# Altium PCB PCB.PcbDoc
Units mm, origin at the board's own origin, x right, y up, seen from the top; angles counter-clockwise.
Board outline 71 x 49 mm, 2 copper layers (Top Layer, Bottom Layer); 39 components, 26 nets, 155 pads, 54 vias.
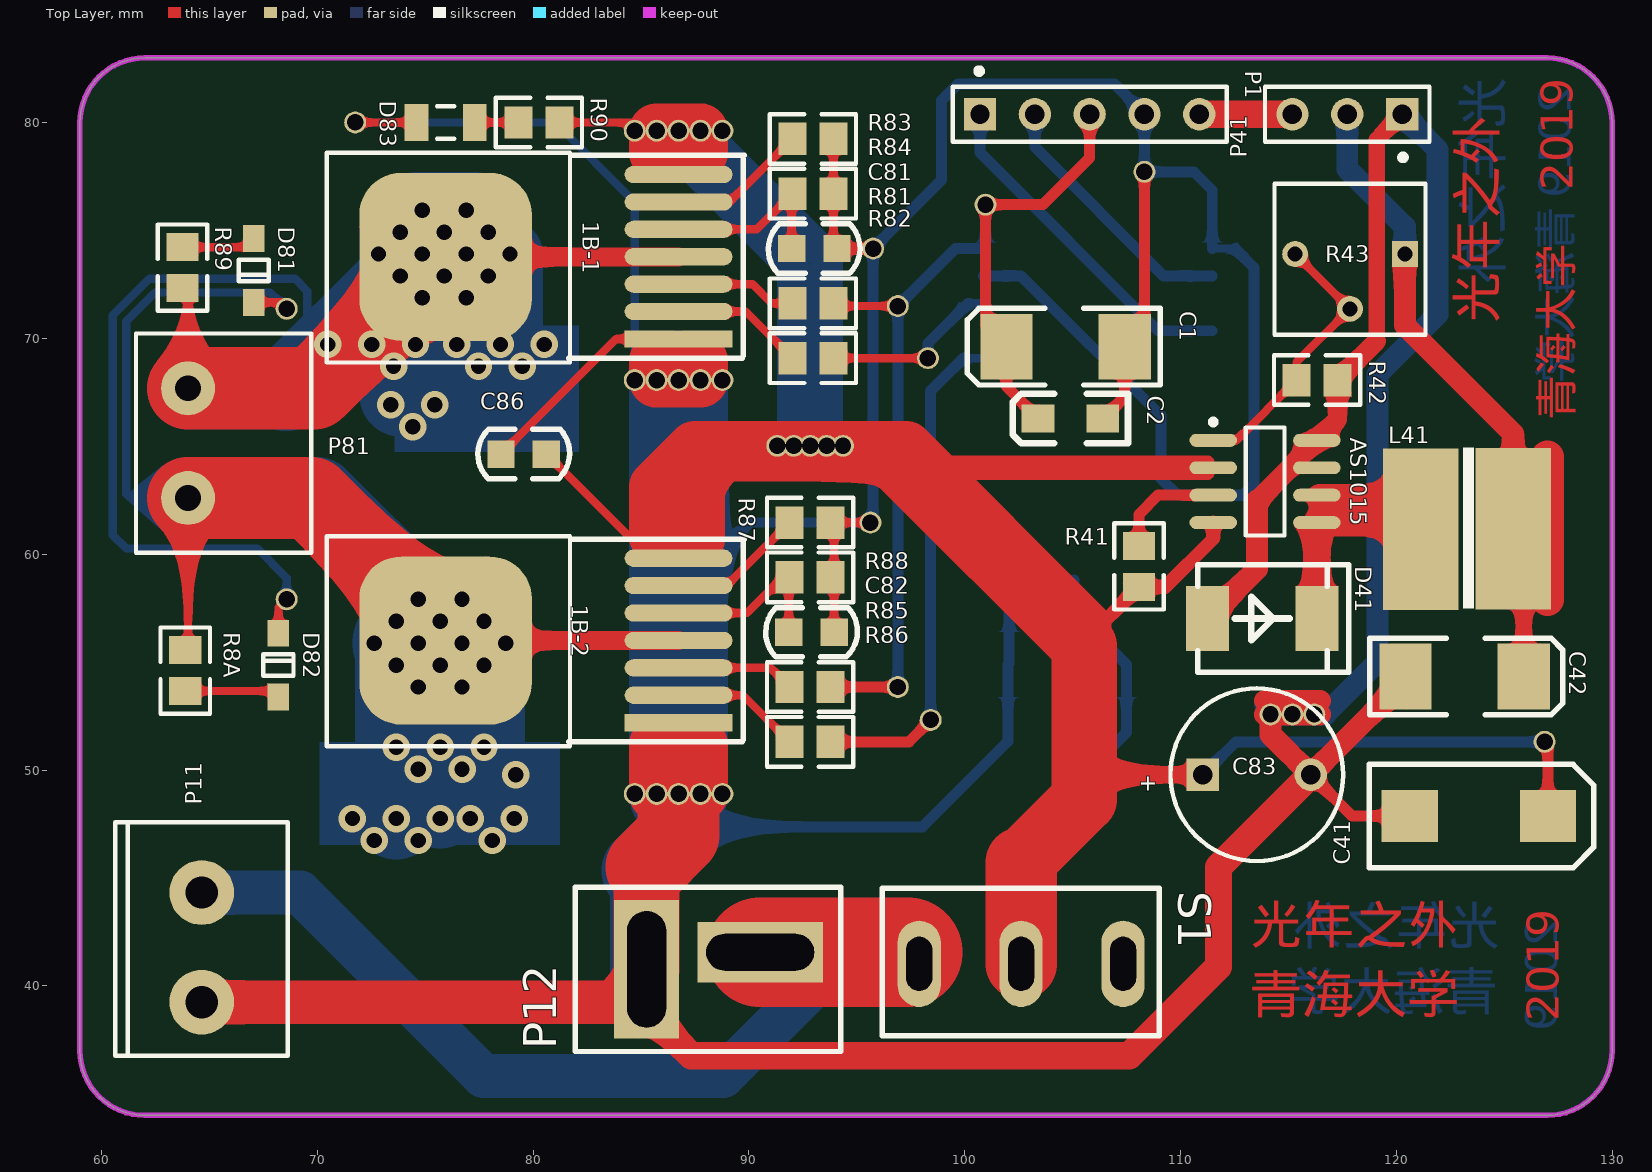
[diagram p0: Top Layer view]
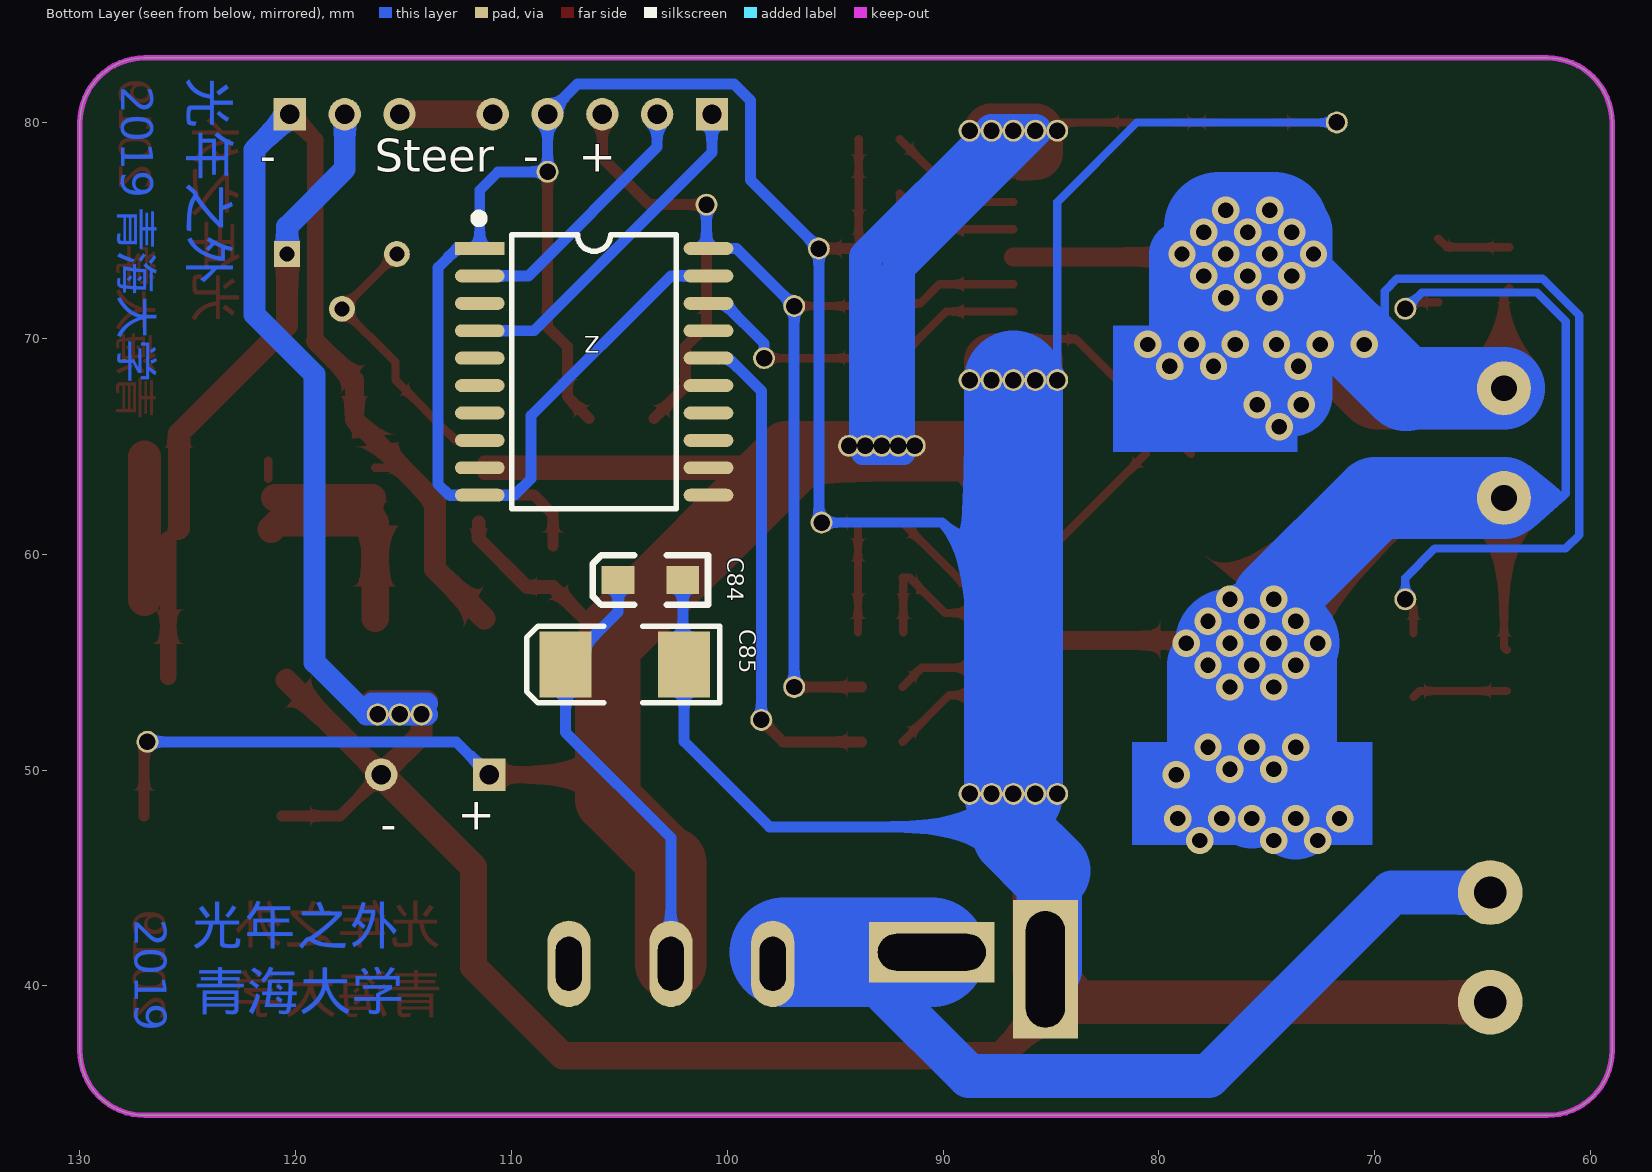
[diagram p1: Bottom Layer view, seen from below]
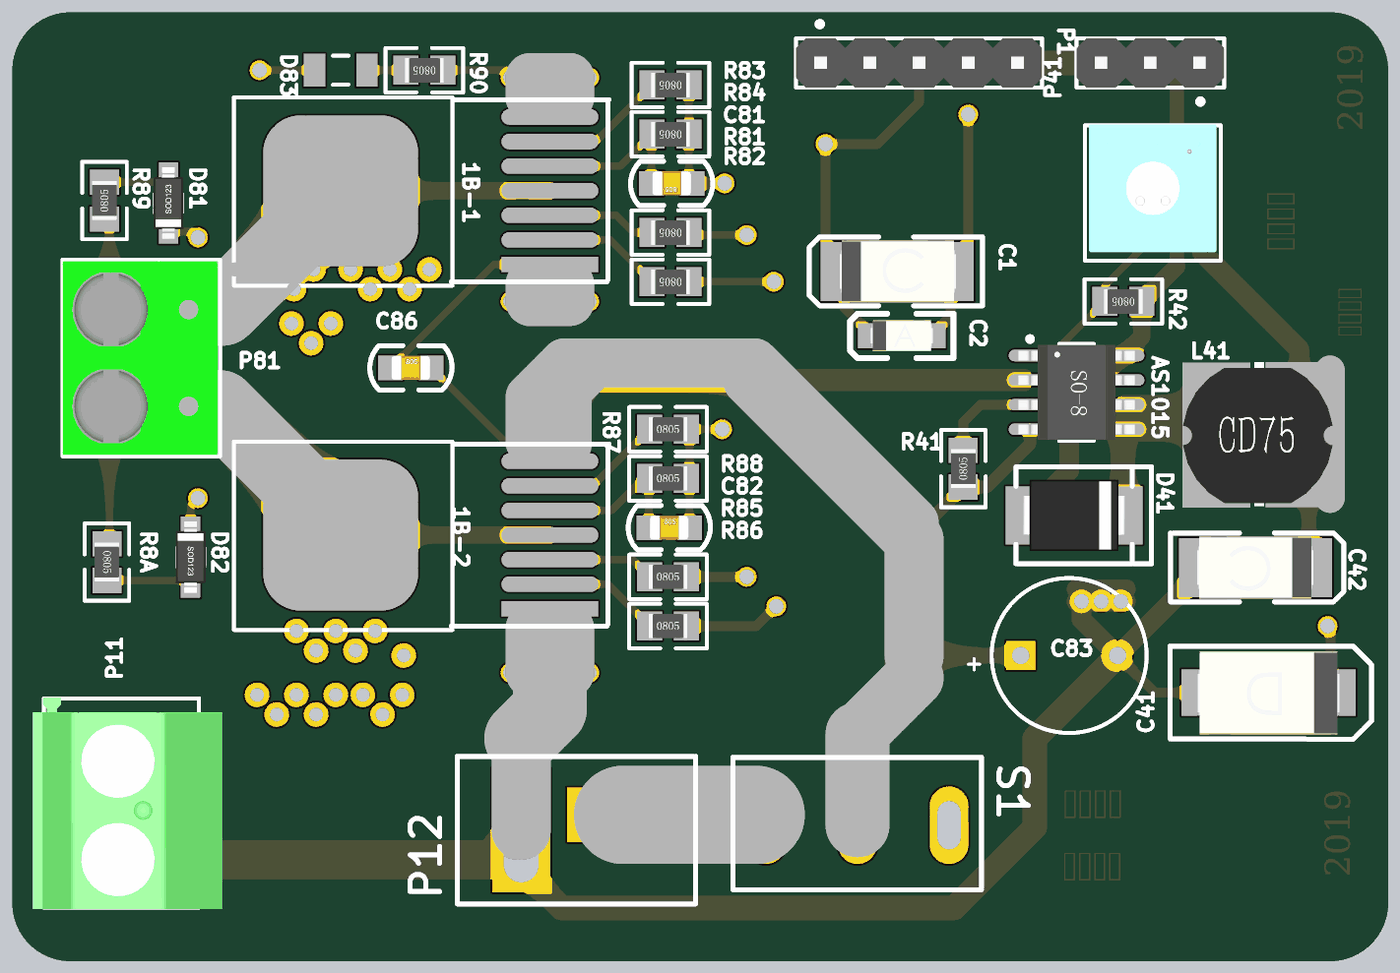
[diagram p2: 3D render of the assembled board from above, using the file's embedded part models]
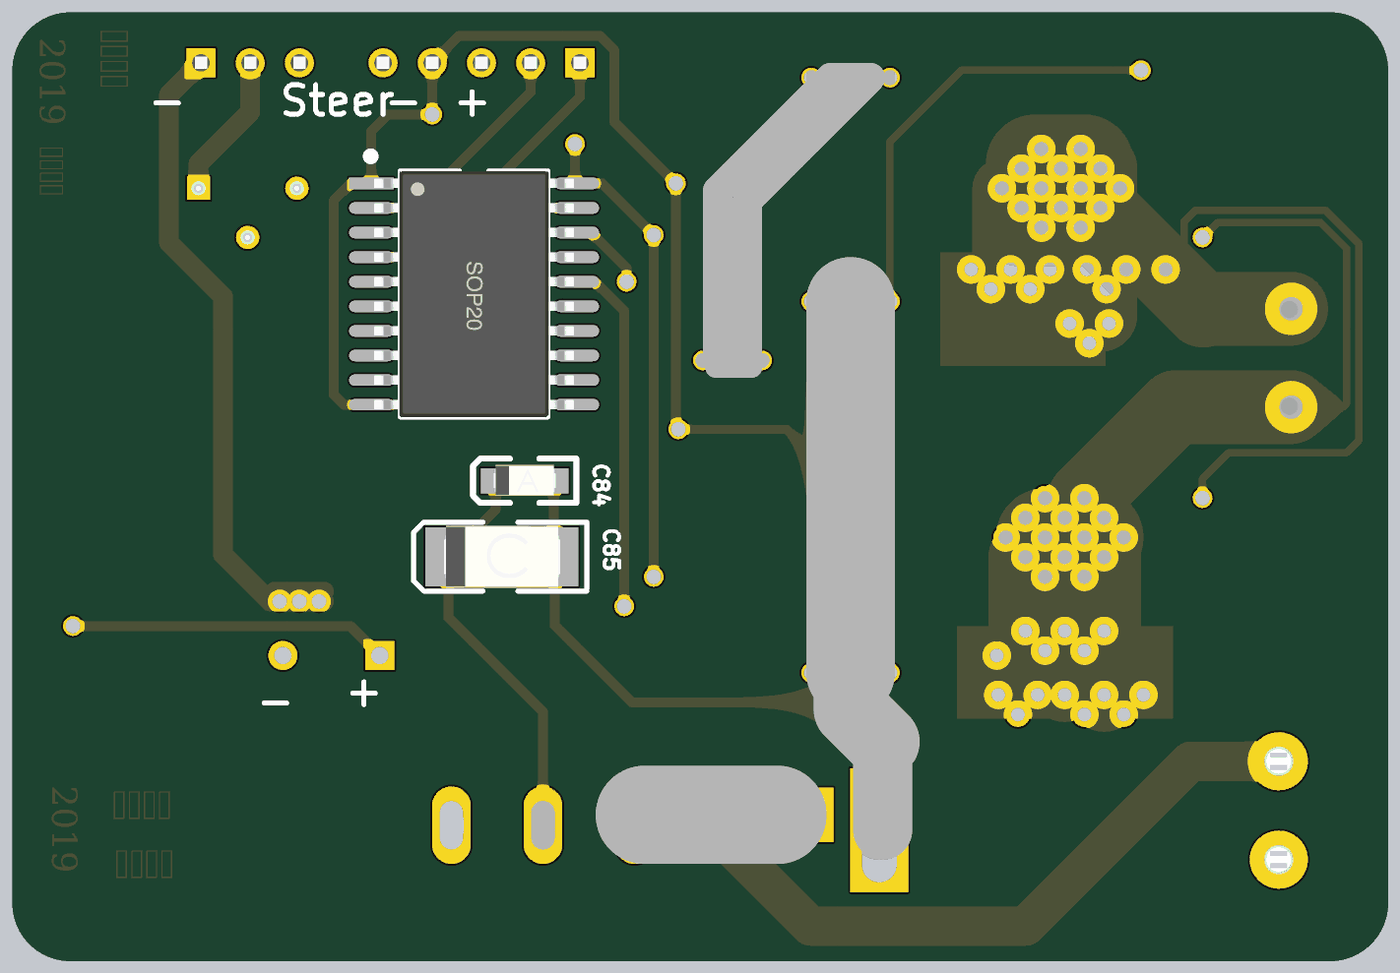
[diagram p3: 3D render of the assembled board from below, using the file's embedded part models]

## Layer stack, top to bottom
Top Solder: solder mask 0.0102, Solder Resist, Dk 3.5
Top Layer: signal copper 0.0356
Dielectric 1: dielectric 0.32, FR-4, Dk 4.8
Bottom Layer: signal copper 0.0356
Bottom Solder: solder mask 0.0102, Solder Resist, Dk 3.5

## Board outline
59,37 59,80 cw(c62,80) 62,83 127,83 cw(c127,80) 130,80 130,37 cw(c127,37) 127,34 62,34 cw(c62,37)

## Design rules (kind name [scope] priority, off if disabled: settings)
Clearance [All] p1: gap=0.254
HoleSize [All] p1: absolutevalues=TRUE maxlimit=5.842 minlimit=0.025 maxpercent=80.000 minpercent=20.000
HoleToHoleClearance [All] p1 off: gap=0.254 allowstackedmicrovias=TRUE
MinimumSolderMaskSliver [All] p1 off: minsoldermaskwidth=0.254
PolygonConnect [All] p1: connectstyle=Relief reliefconductorwidth=0.254 reliefentries=4 polygonreliefangle="90 Angle" airgapwidth=0.254
RoutingVias [All] p1: holewidth=0.711 width=1.27 viastyle="Through Hole" minholewidth=0.711 minwidth=1.27 maxholewidth=0.711 maxwidth=1.27
SilkToBoardRegionClearance [All] p1 off:
SilkToSilkClearance [All] p1 off: silktosilkclearance=0.254
SilkToSolderMaskClearance [IsPad] p1 off: minsilkscreentomaskgap=0.254 clearancetoexposedcopper=TRUE
SolderMaskExpansion [All] p1: expansion=0.102
Width [All] p1: maxlimit=7.62 minlimit=0.305 preferedwidth=0.381
24 further rules are at their usual default settings.

## Components (designator, comment, footprint, x,y, rotation, side; value= is the part's Value field where it differs from the comment)
1B-1 "BTN7971B" BTN7971B 79.756,73.406 r0 top locked
1B-2 "BTN7971B" BTN7971B 79.756,55.626 r0 top locked
AS1015 "AS1015" SOP-8N 113.919,63.373 r0 top
C1 "Cap Pol3" C6032 104.775,69.596 r0 top
C2 "Cap Pol3" C3216 104.902,66.294 r0 top
C41 "Cap Pol3" C7343 123.825,47.879 r180 top
C42 "Cap Pol3" C6032 123.063,54.356 r180 top
C81 "Cap Chip 0805" C0805 94.234,74.168 r180 top locked
C82 "Cap Chip 0805" C0805 91.694,56.388 r0 top locked
C83 "Cap Pol3" CAPPR5-8X11.5 113.538,49.784 r0 top locked
C84 "Cap Pol3" C3216 103.561,58.806 r180 bottom
C85 "Cap Pol3" C6032 104.648,54.864 r180 bottom
C86 "Cap Chip 0805" C0805 78.359,64.643 r0 top locked
D41 "1N5824" SMB 113.792,57.023 r0 top
D81 "LED2" SOD-123 67.056,73.152 r90 top
D82 "LED3" SOD-123 68.199,54.864 r270 top locked
D83 "LED2" C1206 75.946,80.01 r180 top
L41 "Inductor" CD75NP 123.317,61.214 r0 top
P1 "Header 5" HDR1X5 100.711,80.391 r0 top locked
P11 "Header 2" 2PIN-5.08A 64.643,39.243 r90 top
P12 "Header 2" T_Plug 86.36,40.767 r90 top
P41 "Header 3" HDR1X3 120.269,80.391 r180 top
P81 "MOTOR" 5.08-2P 64.008,62.611 r90 top locked
R8A "" R0805 63.881,54.61 r270 top locked
R41 "Res3" R0805 108.077,59.436 r90 top
R42 "Res2" R0805 116.332,68.072 r180 top
R43 "RPot" VR_B1 117.856,74.168 r180 top
R81 "" R0805 92.964,71.628 r180 top locked
R82 "" R0805 92.964,69.088 r180 top locked
R83 "" R0805 92.964,79.248 r180 top locked
R84 "" R0805 92.964,76.708 r180 top locked
R85 "" R0805 92.837,53.848 r0 top locked
R86 "" R0805 92.837,51.308 r0 top locked
R87 "" R0805 92.837,61.468 r0 top locked
R88 "" R0805 92.837,58.928 r0 top locked
R89 "" R0805 63.754,73.279 r90 top
R90 "" R0805 80.264,80.01 r180 top
S1 "SW-SPST" SW-TO3 102.616,41.021 r270 top
Z "44" SOP20_M 106.172,68.453 r180 bottom locked

## Footprints (in the part's own frame and the unit in brackets; to place one, negate y for a bottom-side part, rotate by r counter-clockwise, add the part's x,y. Pads: shape width x height; smd on the part's side, far side on the other; paste and mask are expansions set on the pad)
2PIN-5.08A [mm]
  round 3 hole 1.5: 1(0,0) 2(5.08,0)
  silkscreen extent -2.49,-3.99 8.33,4.01, body extent -2.54,-5.2 8.36,4.6, height 14.2
5.08-2P [mm]
  round 2.5 hole 1.2: 1(0,0) 2(5.08,0)
  silkscreen extent -2.54,-5.71 7.62,2.41, body extent -2.46,-5.59 7.54,2.41, height 11
BTN7971B [mm] "BTN7971B"
  rect 5x0.8 smd: 1(6.985,-3.429)
  oval 5x0.8 smd: 2(6.985,-2.159) 3(6.985,-0.889) 4(6.985,0.381) 5(6.985,1.651) 6(6.985,2.921) 7(6.985,4.191)
  rrect50% 8x7.795 smd: 8(-3.813,0.376)
  silkscreen extent -9.32,-4.52 10.03,5.21
C0805 [mil]
  rect 50x50 smd: 1(6,0) 2(88.7,-0.1)
  silkscreen extent -36,-45 131,45, body extent 8,-24 87,25, height 30
C1206 [mm] "Chip Capacitor, Body 3.2x1.6mm, IPC High Density"
  rect 1.1x1.7 smd: 1(-1.35,0) 2(1.35,0)
  silkscreen extent -0.4,-0.75 0.4,0.75, body extent -1.7,-0.9 1.7,0.9, height 1.3
C3216 [mil] "A型/1206"
  rect 60x51.18 smd: 1(-59,0) 2(59,0)
  silkscreen extent -105,-45 105,45, body extent -63,-31 63,32, height 63
C6032 [mil] "C型"
  rect 95x120 smd: 1(-112,1) 2(104,1)
  silkscreen extent -183,-69 169,71, body extent -121,-62 115,64, height 102
C7343 [mm] "D型"
  rect 2.6x2.4 smd: 1(-3.202,0.007) 2(3.198,0.007)
  silkscreen extent -5.33,-2.39 5.08,2.41, body extent -3.65,-2.12 3.65,2.18, height 2.9
CAPPR5-8X11.5 [mm]
  rect 1.5x1.5 hole 0.9: 1(-2.5,0)
  round 1.5 hole 0.9: 2(2.5,0)
  silkscreen extent -4,-4 4,4, body extent -4.06,-4.06 4.06,4.06, height 11.5
CD75NP [mm]
  rect 3.5x7.5 smd mask+0: 1(-2.174,-0.051) 2(2.101,-0.028)
  silkscreen extent -0.23,-3.72 0.29,3.73, body extent -3.91,-3.57 3.83,3.43, height 5
HDR1X3 [mm] "Connector; Header; 3 Position"
  rect 1.5x1.5 hole 0.9: 1(0,0)
  round 1.5 hole 0.9: 2(2.54,0) 3(5.08,0)
  silkscreen extent -1.27,-1.27 6.35,2.14, body extent -1.27,-1.27 6.35,1.27, height 8.54
HDR1X5 [mm] "Connector; Header; 5 Position"
  rect 1.5x1.5 hole 0.9: 1(0,0)
  round 1.5 hole 0.9: 2(2.54,0) 3(5.08,0) 4(7.62,0) 5(10.16,0)
  silkscreen extent -1.27,-1.27 11.43,2.14, body extent -1.27,-1.27 11.43,1.27, height 8.54
R0805 [mm]
  rect 1.3x1.5 smd: 1(-0.95,0) 2(0.95,0)
  silkscreen extent -2,-1.15 2,1.15, body extent -1,-0.63 1,0.63, height 0.55
SMB [mm]
  rect 2x3 smd: 1(-2.54,0) 2(2.54,0)
  silkscreen extent -3,-2.5 4,2.5, body extent -2.65,-1.85 2.65,1.85, height 2.2
SOD-123 [mm]
  rect 1.25x1 smd: 1(1.475,0) 2(-1.475,0)
  silkscreen extent -0.5,-0.7 0.5,0.7, body extent -1.85,-0.77 1.85,0.78, height 1.35
SOP20_M [mm] "13*10.6*2.6（长宽高）"
  rect 2.3x0.6 smd: 1(-5.3,5.715)
  oval 2.3x0.6 smd: 2(-5.3,4.445) 3(-5.3,3.175) 4(-5.3,1.905) 5(-5.3,0.635) 6(-5.3,-0.635) 7(-5.3,-1.905) 8(-5.3,-3.175) 9(-5.3,-4.445) 10(-5.3,-5.715) 11(5.3,-5.715) 12(5.3,-4.445) 13(5.3,-3.175) 14(5.3,-1.905) 15(5.3,-0.635) 16(5.3,0.635) 17(5.3,1.905) 18(5.3,3.175) 19(5.3,4.445) 20(5.3,5.715)
  silkscreen extent -5.49,-6.35 3.81,7.27, body extent -5.15,-6.35 5.15,6.35, height 2.7
SOP-8N [mm] "SOIC, 8-Leads, Body 4.9x3.9mm, Pitch 1.27mm, IPC Medium Density"
  oval 2.2x0.6 smd: 1(-2.4,1.905) 2(-2.4,0.635) 3(-2.4,-0.635) 4(-2.4,-1.905) 5(2.4,-1.905) 6(2.4,-0.635) 7(2.4,0.635) 8(2.4,1.905)
  silkscreen extent -2.52,-2.5 0.9,2.88, body extent -3,-2.45 3,2.45, height 1.7
SW-TO3 [mm]
  oval 4x2 hole 1.2 slot 2.5 at 0 deg: 1(0,-4.724) 2(0,0) 3(0,4.724)
  silkscreen extent -3.5,-6.43 3.33,6.39, body extent -3.43,-6.36 3.43,6.35, height 28.55
T_Plug [mm]
  rect 6.4x3 hole 1.8 slot 5.4 at 0 deg: 1(0,1.1)
  rect 2.8x5.8 hole 1.7 slot 5 at 90 deg: 2(0.789,-4.164)
  silkscreen extent -3.81,-7.9 3.81,4.4
VR_B1 [mm] "Potentiometer; 3 Leads"
  rect 1.2x1.2 hole 0.7: 1(-2.54,0.254)
  round 1.2 hole 0.7: 2(0,2.794) 3(2.54,0.254)
  silkscreen extent -3.5,-3 3.5,4, body extent -3.3,-3.05 3.3,3.55, height 4.4

## Part data
1B-1: library part BTN9791B, "TO-263"
C1 C2 C41 C42 C83 C84 C85: "Polarized Capacitor (Surface Mount)"
C81 C82 C86: "Polarized Capacitor (Radial)"
D41: library part 1N4007, "1.0 Ampere General Purpose Rectifier"
D81 D83: library part LED3, "Typical BLUE SiC LED"
D82: "Typical BLUE SiC LED"
P1: "Header, 5-Pin"
P11 P12: "Header, 2-Pin"
P41: "Header, 3-Pin"
P81: library part "Header 2", "Header, 2-Pin"
R8A R81 R82 R83 R84 R85 R86 R87 R88 R89 R90: library part Res3, "Resistor"
R41 R42: "Resistor"
R43: "精密可调电阻"
S1: "Single-Pole, Single-Throw Switch"
Z: library part 74LS244, "SOP-20"

## Free pads (board coordinates)
  round 1.016 hole 0.762: 0(95.758,74.168) 0(96.901,53.848) 0(96.901,71.501) 0(98.298,69.088) 0(98.425,52.324) 0(100.965,76.2) 0(108.331,77.724) 0(114.173,52.578) 0(115.189,52.578) 0(116.205,52.578) 0(126.873,51.308) 2(68.58,57.912) 2(68.58,71.374) 2(71.755,80.01) 2(84.709,48.895) 2(84.709,68.072) 2(84.709,79.629) 2(85.725,48.895) 2(85.725,68.072) 2(85.725,79.629) 2(86.741,48.895) 2(86.741,68.072) 2(86.741,79.629) 2(87.757,48.895) 2(87.757,68.072) 2(87.757,79.629) 2(88.773,48.895) 2(88.773,68.072) 2(88.773,79.629) 2(91.313,65.024) 2(92.075,65.024) 2(92.837,65.024) 2(93.599,65.024) 2(94.361,65.024) 3(95.631,61.468)

## Via types
v1: diameter 1.27, hole 0.711, Top Layer to Bottom Layer, 54 vias

## Nets (pads, with @x,y where several pads share a name; then routed paths per layer and width w, separated by ;. In a path a pad name is that pad's centre, name@x,y a point inside that pad or via, vN(x,y) a via of type N, cw(c..) or ccw(c..) an arc to the next point about the centre after c; other vN are vias at no path point)
5V: C1.1 C2.1 P1.3 pad.0@96.901,53.848 pad.0@96.901,71.501 pad.0@100.965,76.2 R81.1 R85.2 Z.20 | length 49.9
  Top Layer w0.381: R81.1 94.041,71.501 pad.0@96.901,71.501
  Top Layer w0.508: R85.2 pad.0@96.901,53.848 ; pad.0@100.787,76.022 pad.0@100.965,76.2 ; C2.1 101.93,67.767 C1.1 100.965,70.587 pad.0@100.965,76.2 ; P1.3 105.791,78.359 103.632,76.2 pad.0@100.965,76.2
  Bottom Layer w0.381: Z.20 Z.20@100.965,74.261
  Bottom Layer w0.508: pad.0@96.901,53.848 96.901,71.501 99.568,74.168 Z.20 ; Z.20@100.965,74.261 pad.0@100.965,76.2
6V: C42.1 L41.2 P41.2 R43.1 | length 36.1
  Top Layer w0.381: L41.2 L41.2@125.908,60.696
  Top Layer w0.762: C42.1 L41.2@125.908,60.696
  Top Layer w1.016: R43.1 120.396,70.612 125.418,65.59 L41.2
  Top Layer w1.524: L41.2@127,57.912 L41.2@127,64.516
  Bottom Layer w1.016: P41.2 117.729,77.851 120.396,75.184 R43.1
GND: 1B-1.1 1B-2.1 AS1015.7 AS1015.8 C1.2 C2.2 C41.2 C42.2 C81.1 C82.2 C83.2 C84.2 C85.2 C86.1 D41.1 D83.2 P1.4 P11.1 P12.1 P41.1 pad.0@95.758,74.168 pad.0@108.331,77.724 pad.0@114.173,52.578 pad.0@115.189,52.578 pad.0@116.205,52.578 pad.2@71.755,80.01 pad.2@84.709,48.895 pad.2@84.709,68.072 pad.2@85.725,48.895 pad.2@85.725,68.072 pad.2@86.741,48.895 pad.2@86.741,68.072 pad.2@87.757,48.895 pad.2@87.757,68.072 pad.2@88.773,48.895 pad.2@88.773,68.072 pad.3 R42.1 R83.1 R84.1 R87.2 R88.2 Z.1 Z.10 Z.19 | length 368.6
  Top Layer w0.381: pad.2@71.755,80.01 D83.2 ; C86.1 83.845,69.977 1B-1.1 ; pad.2@85.598,68.199 pad.2@85.725,68.072 ; 85.725,51.181 1B-2.1 87.757,51.181 ; 85.725,68.961 1B-1.1 ; 87.757,68.961 1B-1.1 ; R83.1 R84.1 93.914,74.336 C81.1 ; C82.2 93.947,61.308 R87.2 pad.3 ; 113.538,62.069 115.477,64.008 AS1015.7 ; P41.1 P41.1@120.396,80.264
  Top Layer w0.508: C81.1 pad.0@95.758,74.168 ; C2.2 107.417,67.31 C1.2 108.331,70.536 pad.0@108.331,77.724 ; C83.2 117.95,47.872 C41.2
  Top Layer w0.762: 85.598,48.006 87.757,48.006 ; 119.091,69.881 119.091,79.213 P41.1 ; C42.2@120.421,54.167 C42.2
  Top Layer w0.889: 113.538,62.497 AS1015.8 117.282,66.241 R42.1 119.091,69.881
  Top Layer w1.016: 85.598,67.31 87.757,67.31 ; D41.1 113.538,59.309 113.538,62.069 113.538,62.497 ; pad.0@113.919,52.578 pad.0@116.459,52.578 ; 113.919,53.213 116.459,53.213 ; pad.0@114.173,52.578 114.173,51.649 C83.2 C42.2@120.421,54.167
  Top Layer w1.27: P12.1@85.952,38.127 87.325,36.754 107.62,36.754 111.76,40.894 111.76,45.506 112.609,46.355 C83.2
  Top Layer w2.032: P11.1 83.736,39.243 P12.1
  Top Layer w2.54: pad.2@85.725,48.895 85.725,51.181 ; pad.2@85.725,68.072 85.725,68.961 ; pad.2@87.757,48.895 87.757,51.181 ; pad.2@87.757,68.072 87.757,68.961
  Top Layer w3.048: P12.1 85.26,45.509
  Top Layer w3.81: 85.26,45.509 86.741,46.99 pad.2@86.741,48.895
  Bottom Layer w0.381: pad.2@71.755,80.01 81.026,80.01 84.709,76.327 pad.2@84.709,68.072 ; pad.3 pad.3@95.758,61.595 ; C85.2 C85.2@102.063,54.946 ; Z.1 Z.1@112.522,74.168
  Bottom Layer w0.457: 86.741,58.166 90.043,61.468 pad.3
  Bottom Layer w0.508: 86.741,47.371 98.044,47.371 102.006,51.333 C85.2 ; pad.3@95.758,61.595 95.758,74.168 98.933,77.343 98.933,81.026 99.695,81.788 106.934,81.788 P1.4 108.331,77.724 110.617,77.724 111.472,76.869 Z.1 ; Z.19 102.616,72.898 109.093,66.421 109.093,63.5 109.855,62.738 Z.10 112.903,62.738 113.411,63.246 113.411,73.279 Z.1@112.522,74.168 ; C85.2@102.063,54.946 C84.2
  Bottom Layer w0.762: pad.0@116.205,52.578 116.713,52.578
  Bottom Layer w1.016: pad.0@113.919,52.578 pad.0@116.459,52.578 ; 113.919,53.086 116.459,53.086 ; 116.713,52.578 119.126,54.991 119.126,68.326 121.92,71.12 121.92,78.74 P41.1
  Bottom Layer w3.048: P12.1@85.084,40.767 85.084,45.333
  Bottom Layer w3.81: 85.084,45.333 86.741,46.99 pad.2@86.741,48.895
  Bottom Layer w4.572: pad.2@86.741,48.895 86.741,58.166 pad.2@86.741,68.072
INT1: P1.1 Z.4 | length 16
  Bottom Layer w0.508: P1.1 100.711,78.613 108.966,70.358 Z.4
INT2: P1.2 Z.2 | length 12.2
  Bottom Layer w0.508: P1.2 103.251,78.867 109.22,72.898 Z.2
Net1B-1_2: 1B-1.2 R82.2 | length 6.2
  Top Layer w0.381: 1B-1.2 89.855,71.247 R82.2
Net1B-1_3: 1B-1.3 R81.2 | length 5.6
  Top Layer w0.381: 1B-1.3 90.17,72.517 91.059,71.628 R81.2
Net1B-1_5: 1B-1.5 C81.2 R84.2 | length 8.5
  Top Layer w0.381: 1B-1.5 90.363,75.057 R84.2@91.981,76.675 ; C81.2 R84.2@91.981,76.675 ; R84.2 R84.2@91.981,76.675
Net1B-1_6: 1B-1.6 R83.2 | length 6.5
  Top Layer w0.381: 1B-1.6 89.093,76.327 R83.2
Net1B-2_2: 1B-2.2 R86.1 | length 6
  Top Layer w0.381: 1B-2.2 89.728,53.467 R86.1
Net1B-2_3: 1B-2.3 R85.1 | length 5.5
  Top Layer w0.381: 1B-2.3 90.998,54.737 R85.1
Net1B-2_5: 1B-2.5 C82.1 R88.1 | length 8.4
  Top Layer w0.381: 1B-2.5 89.916,57.277 91.567,58.928 R88.1 91.846,58.887 C82.1
Net1B-2_6: 1B-2.6 R87.1 | length 6.4
  Top Layer w0.381: 1B-2.6 88.966,58.547 R87.1
NetAS1015_1: AS1015.1 R42.2 R43.2 R43.3 | length 12.9
  Top Layer w0.381: AS1015.1 112.588,65.278 R42.2 115.382,68.9 R43.2 R43.3
NetAS1015_3: AS1015.3 R41.2 | length 5.3
  Top Layer w0.508: R41.2 108.077,61.849 108.966,62.738 AS1015.3
NetAS1015_5: AS1015.5 AS1015.6 D41.2 L41.1 | length 16
  Top Layer w0.381: L41.1@121.27,63.485 L41.1@121.27,64.338
  Top Layer w0.635: AS1015.5 AS1015.6
  Top Layer w1.27: D41.2@116.319,57.036 AS1015.5 120.837,61.468 L41.1 ; AS1015.6@116.446,62.611 L41.1@120.964,62.611
NetD81_1: D81.1 R89.2 | length 3.5
  Top Layer w0.381: R89.2 66.658,74.229 D81.1
NetD82_1: D82.1 R8A.2 | length 4.4
  Top Layer w0.381: R8A.2 67.928,53.66 D82.1
NetD83_1: D83.1 R90.2 | length 2
  Top Layer w0.381: D83.1@77.296,80.01 R90.2
NetP11_2: P11.2 P12.2 S1.1 | length 56.8
  Top Layer w2.54: S1.1@97.357,41.556 S1.1
  Top Layer w5.08: P12.2 S1.1@97.357,41.556
  Bottom Layer w2.032: P11.2 69.197,44.323 77.706,35.814 88.798,35.814 92.659,39.675 91.313,41.021 S1.1
  Bottom Layer w2.54: S1.1@97.357,41.556 S1.1
  Bottom Layer w5.08: P12.2 S1.1@97.357,41.556
OUT1: 1B-1.4 1B-1.8 D82.2 P81.2 pad.2@68.58,57.912 R89.1 | length 101.9
  Top Layer w0.381: R89.1 64.008,72.075 P81.2 ; D82.2 68.199,57.531 pad.2@68.58,57.912 ; 1B-1.4@86.736,73.782 1B-1.4
  Top Layer w0.889: 1B-1.8 1B-1.4@86.736,73.782
  Top Layer w3.81: P81.2 69.853,67.691 1B-1.8
  Bottom Layer w0.381: 67.372,68.819 69.532,70.979 69.532,72.2 68.961,72.771 62.221,72.771 60.515,71.066 60.515,60.896 61.151,60.261 67.218,60.261 68.58,58.9 pad.2@68.58,57.912
  Bottom Layer w3.048: 78.93,67.373 v1(78.93,73.914)
  Bottom Layer w3.81: P81.2 68.5,67.691 ; 68.5,67.607 68.585,67.607 v1@73.85,72.873 ; v1@73.85,67.373 73.85,71.882 ; v1(73.85,72.898) v1(73.85,74.93) ; v1@75.882,66.739 v1(75.882,72.898) v1(75.882,74.93)
  Bottom Layer w5.08: 74.676,75.184 77.216,75.184
  other v1: 74.422,65.913 73.406,66.929 75.438,66.929 73.533,68.707 77.47,68.707 79.502,68.707 70.485,69.723 72.517,69.723 74.549,69.723 76.454,69.723 78.486,69.723 80.518,69.723 74.867,71.882 76.898,71.882 77.915,72.898 72.834,73.914 74.867,73.914 76.898,73.914 77.915,74.93 74.867,75.946 76.898,75.946
OUT2: 1B-2.4 1B-2.8 D81.2 P81.1 pad.2@68.58,71.374 R8A.1 | length 90.3
  Top Layer w0.381: R8A.1 64.008,55.687 P81.1 ; D81.2 68.277,71.677 pad.2@68.58,71.374 ; 1B-2.4@86.736,56.002 1B-2.4
  Top Layer w0.889: 1B-2.8 1B-2.4@86.736,56.002
  Top Layer w3.81: P81.1 69.723,62.611 1B-2.8@75.943,56.391
  Bottom Layer w0.381: P81.1 61.341,62.611 61.151,62.801 61.151,70.802 62.484,72.136 67.818,72.136 pad.2@68.58,71.374
  Bottom Layer w3.81: P81.1 69.977,62.611 v1(74.676,57.912) ; v1(73.66,47.752) v1(73.66,54.864) ; v1@75.692,48.26 v1(75.692,54.864) v1(75.692,56.896) ; 77.724,48.768 v1(77.724,54.864)
  Bottom Layer w5.08: v1@74.168,55.88 v1(76.708,55.88)
  other v1: 72.644,46.736 74.676,46.736 78.105,46.736 71.628,47.752 75.692,47.752 77.089,47.752 79.121,47.752 79.197,49.784 74.676,50.038 76.708,50.038 73.66,51.054 75.692,51.054 77.724,51.054 74.676,53.848 76.708,53.848 72.644,55.88 74.676,55.88 78.74,55.88 73.66,56.896 77.724,56.896 76.708,57.912
PWM1: pad.0@98.298,69.088 R82.1 Z.18 | length 8.4
  Top Layer w0.381: R82.1 pad.0@98.298,69.088
  Bottom Layer w0.381: Z.18@100.239,71.628 Z.18
  Bottom Layer w0.508: pad.0@98.298,69.088 98.298,69.777 100.149,71.628 Z.18@100.239,71.628
PWM2: pad.0@98.425,52.324 R86.2 Z.16 | length 23.4
  Top Layer w0.508: R86.2 97.409,51.308 pad.0@98.425,52.324
  Bottom Layer w0.381: Z.16@99.949,69.088 Z.16
  Bottom Layer w0.508: pad.0@98.425,52.324 98.425,67.564 Z.16@99.949,69.088
STEER: P1.5 P41.3 | length 4.3
  Top Layer w1.27: P1.5 P41.3
VB: 1B-1.7 1B-2.7 AS1015.2 AS1015.4 C41.1 C83.1 C84.1 C85.1 C86.2 pad.0@126.873,51.308 pad.2@84.709,79.629 pad.2@85.725,79.629 pad.2@86.741,79.629 pad.2@87.757,79.629 pad.2@88.773,79.629 pad.2@91.313,65.024 pad.2@92.075,65.024 pad.2@92.837,65.024 pad.2@93.599,65.024 pad.2@94.361,65.024 R41.1 R90.1 S1.2 | length 208.6
  Top Layer w0.381: C86.2 85.435,59.817 1B-2.7 ; R90.1 85.344,80.01 pad.2@85.725,79.629 ; 85.725,60.833 1B-2.7 ; 85.725,78.613 1B-1.7 87.757,78.613 ; 87.63,60.706 1B-2.7 ; 98.044,63.246 98.552,63.754 ; 105.537,55.753 105.537,55.946 ; AS1015.2@111.265,63.754 AS1015.2 ; pad.0@126.873,51.308 pad.0@127.027,51.154
  Top Layer w0.508: C41.1 pad.0@127.027,51.154
  Top Layer w0.635: 98.552,63.754 AS1015.2@111.265,63.754 ; 98.552,64.262 AS1015.2@111.265,64.262 ; 105.537,55.946 R41.1 109.286,58.486 111.519,60.719 AS1015.4
  Top Layer w0.762: 105.537,49.784 C83.1
  Top Layer w1.016: 85.725,80.391 87.884,80.391
  Top Layer w1.524: 88.9,64.135 97.155,64.135
  Top Layer w1.651: 87.63,62.865 88.9,64.135
  Top Layer w2.54: 85.725,60.833 85.725,63.119 87.503,64.897 97.282,64.897 105.537,56.642 ; 85.725,78.613 pad.2@85.725,79.629 ; 87.63,60.706 87.63,62.865 ; 87.757,78.613 pad.2@87.757,79.629
  Top Layer w3.048: 97.155,64.135 105.537,55.753 105.537,49.784 105.537,48.641 102.616,45.72
  Top Layer w3.302: S1.2 102.616,45.72
  Bottom Layer w0.508: S1.2 102.616,46.863 107.493,51.74 C85.1 105.06,57.322 C84.1 ; C83.1 112.562,51.308 pad.0@126.873,51.308
  Bottom Layer w1.016: pad.2@85.725,79.883 pad.2@87.63,79.883 ; pad.2@91.821,64.643 pad.2@93.726,64.643
  Bottom Layer w1.524: pad.2@85.725,79.629 92.075,73.279 pad.2@92.075,65.024 ; pad.2@87.757,79.629 93.599,73.787 pad.2@93.599,65.024
pads on no net: S1.3 Z.3 Z.5 Z.6 Z.7 Z.8 Z.9 Z.11 Z.12 Z.13 Z.14 Z.15 Z.17

## Keep-outs
Keep-Out Layer:
  the board outline again, w0.254

## Other copper
Top Layer:
  text "2019" at 128.676,76.86 h2.54 r90
  text "光年之外" at 125.171,70.688 h3.05 r90
  text "青海大学" at 128.626,66.243 h2.54 r90
  text "光年之外" at 113.233,41.402 h3.05
  text "2019" at 128.016,38.354 h2.54 r90
  text "青海大学" at 113.208,38.176 h3.05
Bottom Layer:
  rectangle net OUT2: 70.104,46.533 81.255,51.308
  rectangle net OUT1: 73.584,64.745 82.118,70.612
  text "光年之外" at 125.451,82.118 h3.05 r90
  text "2019" at 128.575,81.686 h2.54 r90
  text "青海大学" at 128.575,76.073 h2.54 r90
  text "2019" at 127.94,43.078 h2.54 r90
  text "光年之外" at 124.841,41.351 h3.05
  text "青海大学" at 124.714,38.303 h3.05

## Silkscreen, mask and mechanical layers (free items; w line width, h text height)
Bottom Overlay:
  text "+" at 105.156,77.724 h1.52
  text "-" at 108.712,77.724 h1.52
  text "Steer" at 116.332,77.724 h1.52
  text "-" at 120.904,77.724 h1.52
  text "+" at 110.744,47.244 h1.52
  text "-" at 115.316,46.736 h1.52

## Text inside footprints (layer, text, board x,y; h text height)
C83: Top Overlay "+" at 108.063,49.034 h0.76